# Allegro board buddy_lay_rev1.brd (continued)
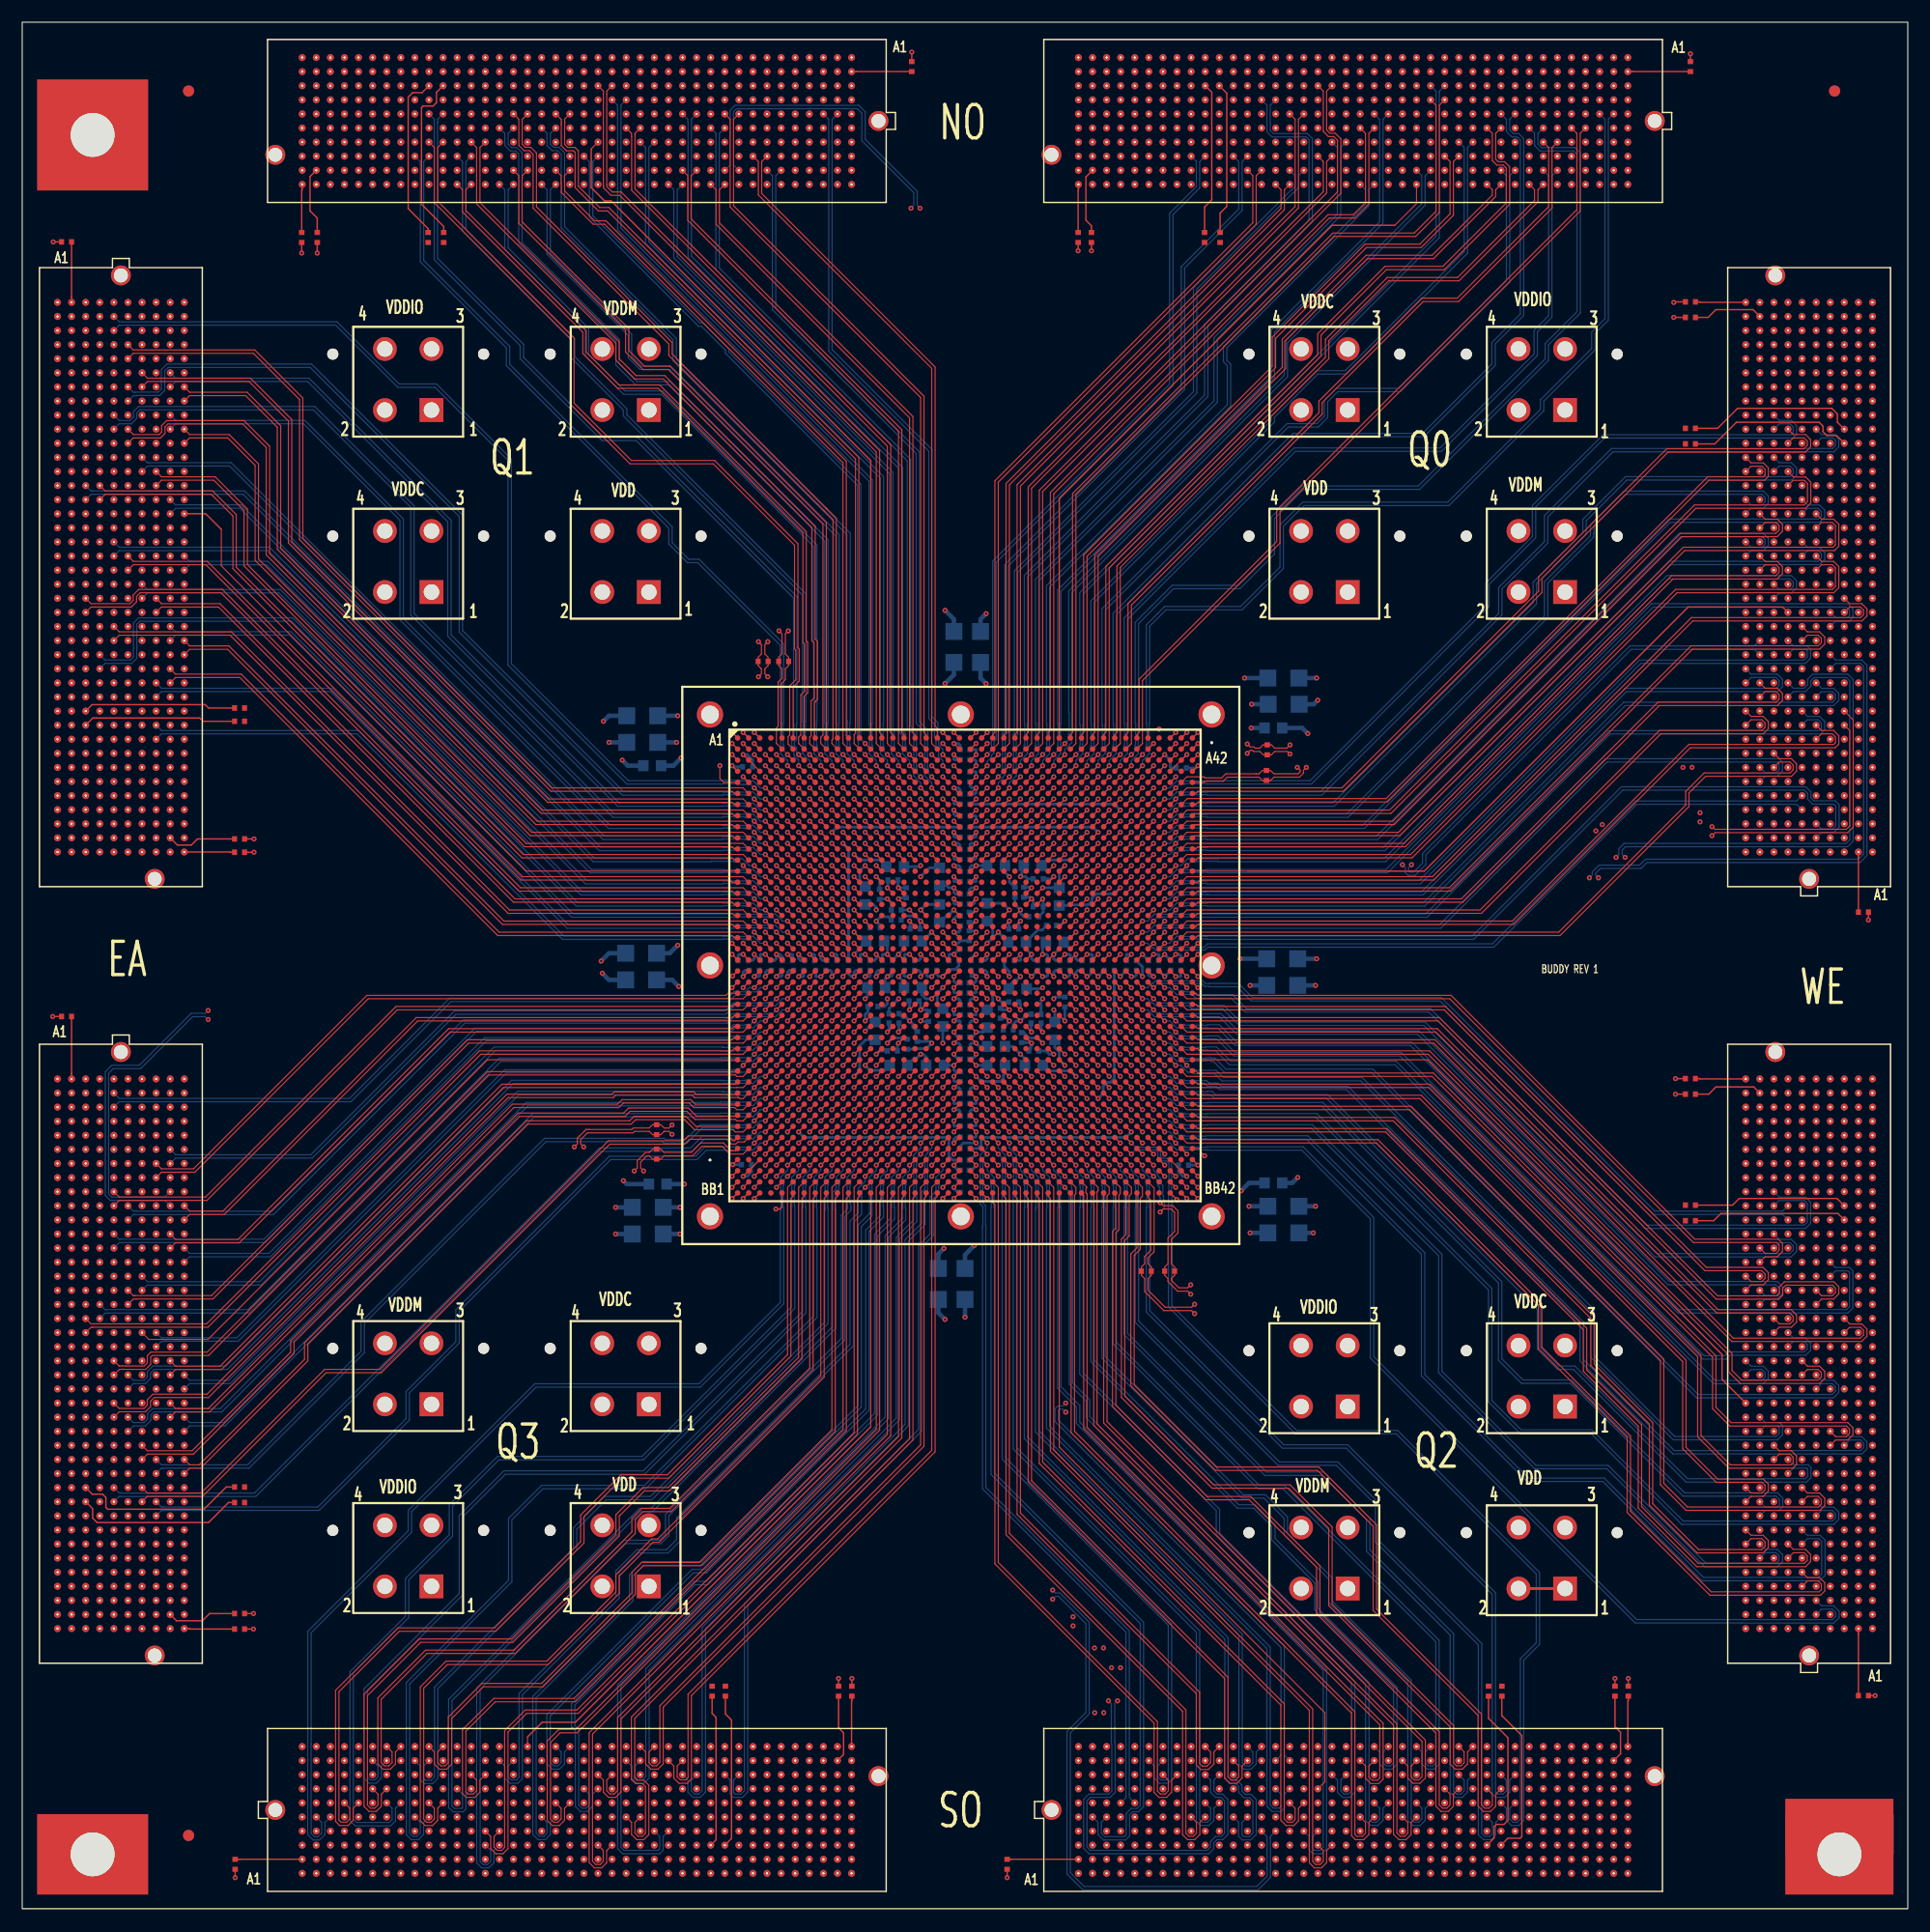
[diagram p0: board, top side]
## Routing (per net, layer and track width the routed paths; a pad name or vN(x,y) marks a point on that pad's centre or on a via; arc(x,y) is an arc through that point) (continued)
; J8.B6 4.93,138.41 ; J8.B6 4.46,138.88 ; J8.B6 3.98,138.41 ; J8.B6 4.46,137.93 ; 165.54,141.74 J3.B38 ; J3.B38 165.07,142.22 ; J3.B38 166.02,142.22 ; J3.B38 165.54,142.69 ; 10.8,42.55 J7.G26 ; J7.G26 10.33,43.02 ; J7.G26 10.8,43.5 ; J7.G26 11.28,43.02 ; J5.G35 138.41,11.28 ; J5.G35 138.41,10.33 ; J5.G35 137.93,10.8 ; J5.G35 138.88,10.8 ; J7.E35 8.27,32.07 ; J7.E35 8.74,31.59 ; J7.E35 7.79,31.59 ; J7.E35 8.27,31.12 ; 105.39,161.74 105.86,161.74 ; 105.39,161.74 105.39,162.21 ; 105.39,161.74 104.91,161.74 ; 105.39,161.74 105.39,161.26 ; J1.H3 72.23,158.4 ; J1.H3 71.76,157.93 ; J1.H3 72.71,157.93 ; J1.H3 72.23,157.45 ; J4.H30 158.4,62.07 ; J4.H30 157.45,62.07 ; J4.H30 157.93,61.6 ; J4.H30 157.93,62.55 ; J2.J40 95.23,157.13 ; J2.J40 95.23,156.18 ; J2.J40 94.75,156.66 ; J2.J40 95.7,156.66 ; 97.77,161.26 97.77,161.74 ; 97.77,161.74 98.24,161.74 ; 97.77,161.74 97.29,161.74 ; 97.77,161.74 97.77,162.21 ; 118.09,165.07 J2.B22 ; J2.B22 118.56,165.54 ; J2.B22 118.09,166.02 ; J2.B22 117.61,165.54 ; 3.19,65.88 3.66,65.88 ; 3.19,65.88 3.19,66.36 ; 3.19,65.88 3.19,65.41 ; 3.19,65.88 2.71,65.88 ; J3.D13 163,110.94 ; J3.D13 163,109.99 ; J3.D13 162.53,110.47 ; J3.D13 163.48,110.47 ; 9.06,49.37 J7.F21 ; J7.F21 9.54,49.85 ; J7.F21 10.01,49.37 ; J7.F21 9.54,48.9 ; 161.26,53.18 161.74,53.18 ; 161.74,53.18 162.21,53.18 ; 161.74,53.18 161.74,53.66 ; 161.74,53.18 161.74,52.71 ; 13.35,69.22 13.35,69.69 ; 13.35,69.69 13.35,70.17 ; 13.35,69.69 12.87,69.69 ; 13.35,69.69 13.82,69.69 ; J5.C33 136.34,5.72 ; J5.C33 135.87,5.25 ; J5.C33 135.39,5.72 ; J5.C33 135.87,6.2 ; 11.6,34.13 J7.H33 ; J7.H33 12.07,34.61 ; J7.H33 12.07,33.66 ; J7.H33 12.55,34.13 ; J8.F6 9.54,138.88 ; J8.F6 10.01,138.41 ; J8.F6 9.54,137.93 ; J8.F6 9.06,138.41 ; J4.D13 163.48,40.48 ; J4.D13 162.53,40.48 ; J4.D13 163,40.01 ; J4.D13 163,40.96 ; 9.06,56.99 J7.F15 ; J7.F15 9.54,56.52 ; J7.F15 9.54,57.47 ; J7.F15 10.01,56.99 ; J1.D2 73.5,163.48 ; J1.D2 73.5,162.53 ; J1.D2 73.03,163 ; J1.D2 73.98,163 ; 161.74,126.98 162.21,126.98 ; 161.74,126.98 161.74,127.45 ; 161.74,126.98 161.26,126.98 ; 161.74,126.98 161.74,126.5 ; 9.06,143.49 J8.F2 ; J8.F2 10.01,143.49 ; J8.F2 9.54,143.96 ; J8.F2 9.54,143.01 ; J5.B6 101.58,4.93 ; J5.B6 101.58,3.98 ; J5.B6 102.05,4.46 ; J5.B6 101.1,4.46 ; 113.8,164.28 J2.C25 ; J2.C25 114.28,164.75 ; J2.C25 114.75,164.28 ; J2.C25 114.28,163.8 ; 144.76,158.72 J2.G1 ; J2.G1 145.23,159.19 ; J2.G1 144.28,159.19 ; J2.G1 144.76,159.67 ; 5.25,105.39 J8.C32 ; J8.C32 6.2,105.39 ; J8.C32 5.72,105.86 ; J8.C32 5.72,104.91 ; 30.32,5.72 30.32,6.2 ; 30.32,5.72 30.8,5.72 ; 30.32,5.72 29.85,5.72 ; 30.32,5.72 30.32,5.25 ; 2.71,114.28 3.19,114.28 ; 3.19,114.28 3.19,113.8 ; 3.19,114.28 3.19,114.75 ; 3.19,114.28 3.66,114.28 ; 10.33,74.77 10.8,74.77 ; 10.8,74.77 10.8,74.3 ; 10.8,74.77 10.8,75.25 ; 10.8,74.77 11.28,74.77 ; J17.2 33.94,45.45 ; J17.2 32.7,44.21 ; J17.2 31.46,45.45 ; J17.2 32.7,46.69 ; 9.54,64.14 J7.F9 ; J7.F9 9.06,64.61 ; J7.F9 9.54,65.09 ; J7.F9 10.01,64.61 ; J7.D6 7,68.9 ; J7.D6 7.47,68.42 ; J7.D6 6.52,68.42 ; J7.D6 7,67.95 ; J2.A1 145.23,166.81 ; J2.A1 144.28,166.81 ; J2.A1 144.76,167.29 ; J2.A1 144.76,166.34 ; 28.58,5.72 29.05,5.72 ; 29.05,5.72 29.05,5.25 ; 29.05,5.72 29.05,6.2 ; 29.05,5.72 29.53,5.72 ; J3.A32 166.81,135.07 ; J3.A32 166.81,134.12 ; J3.A32 166.34,134.6 ; J3.A32 167.29,134.6 ; 4.46,32.86 4.46,33.34 ; 4.46,32.86 4.93,32.86 ; 4.46,32.86 3.98,32.86 ; 4.46,32.86 4.46,32.39 ; 162.53,114.28 J3.D16 ; J3.D16 163,113.8 ; J3.D16 163.48,114.28 ; J3.D16 163,114.75 ; 62.07,158.72 J1.G11 ; J1.G11 62.07,159.67 ; J1.G11 62.55,159.19 ; J1.G11 61.6,159.19 ; J7.H27 12.55,41.75 ; J7.H27 12.07,41.28 ; J7.H27 11.6,41.75 ; J7.H27 12.07,42.23 ; 114.28,3.19 114.28,3.66 ; 114.28,3.19 114.75,3.19 ; 114.28,3.19 114.28,2.71 ; 114.28,3.19 113.8,3.19 ; 5.72,125.23 5.72,125.71 ; 5.72,125.71 5.25,125.71 ; 5.72,125.71 6.2,125.71 ; 5.72,125.71 5.72,126.18 ; 166.81,28.58 J4.A4 ; J4.A4 166.34,29.05 ; J4.A4 167.29,29.05 ; J4.A4 166.81,29.53 ; J3.B18 166.02,116.82 ; J3.B18 165.07,116.82 ; J3.B18 165.54,117.29 ; J3.B18 165.54,116.34 ; 62.87,163 J1.D10 ; J1.D10 63.34,162.53 ; J1.D10 63.34,163.48 ; J1.D10 63.82,163 ; 110.47,163.8 J2.C28 ; J2.C28 110.94,164.28 ; J2.C28 109.99,164.28 ; J2.C28 110.47,164.75 ; 159.19,56.52 J4.G26 ; J4.G26 159.67,56.99 ; J4.G26 158.72,56.99 ; J4.G26 159.19,57.47 ; 156.18,134.6 J3.J32 ; J3.J32 157.13,134.6 ; J3.J32 156.66,134.12 ; J3.J32 156.66,135.07 ; 4.46,117.61 J8.B22 ; J8.B22 3.98,118.09 ; J8.B22 4.93,118.09 ; J8.B22 4.46,118.56 ; 143.49,165.07 J2.B2 ; J2.B2 143.01,165.54 ; J2.B2 143.49,166.02 ; J2.B2 143.96,165.54 ; 10.33,58.26 J7.G14 ; J7.G14 11.28,58.26 ; J7.G14 10.8,57.79 ; J7.G14 10.8,58.74 ; 165.07,32.86 J4.B7 ; J4.B7 166.02,32.86 ; J4.B7 165.54,33.34 ; J4.B7 165.54,32.39 ; 156.66,137.93 J3.J35 ; J3.J35 156.18,138.41 ; J3.J35 156.66,138.88 ; J3.J35 157.13,138.41 ; 161.74,64.14 161.74,64.61 ; 161.74,64.61 162.21,64.61 ; 161.74,64.61 161.74,65.09 ; 161.74,64.61 161.26,64.61 ; J6.H24 54.45,12.55 ; J6.H24 53.98,12.07 ; J6.H24 54.93,12.07 ; J6.H24 54.45,11.6 ; J6.D25 55.72,7.47 ; J6.D25 55.25,7 ; J6.D25 55.72,6.52 ; J6.D25 56.2,7 ; J6.F6 32.07,9.54 ; J6.F6 31.59,9.06 ; J6.F6 31.59,10.01 ; J6.F6 31.12,9.54 ; 3.19,40.48 3.66,40.48 ; 3.19,40.48 3.19,40.96 ; 3.19,40.48 3.19,40.01 ; 3.19,40.48 2.71,40.48 ; 14.14,123.17 J8.K18 ; J8.K18 14.62,122.69 ; J8.K18 15.09,123.17 ; J8.K18 14.62,123.64 ; J3.K6 155.38,102.05 ; J3.K6 155.38,101.1 ; J3.K6 154.91,101.58 ; J3.K6 155.86,101.58 ; J7.G29 10.8,39.69 ; J7.G29 11.28,39.21 ; J7.G29 10.33,39.21 ; J7.G29 10.8,38.74 ; 13.35,70.96 13.35,71.44 ; 13.35,70.96 12.87,70.96 ; 13.35,70.96 13.35,70.49 ; 13.35,70.96 13.82,70.96 ; 39.21,166.34 J1.A29 ; J1.A29 39.69,166.81 ; J1.A29 39.21,167.29 ; J1.A29 38.74,166.81 ; 50.64,161.74 51.12,161.74 ; 50.64,161.74 50.64,161.26 ; 50.64,161.74 50.64,162.21 ; 50.64,161.74 50.17,161.74 ; J6.C33 66.36,5.72 ; J6.C33 65.88,5.25 ; J6.C33 65.41,5.72 ; J6.C33 65.88,6.2 ; 70.96,7 71.44,7 ; 70.96,7 70.96,7.47 ; 70.96,7 70.96,6.52 ; 70.96,7 70.49,7 ; 12.87,140.95 13.35,140.95 ; 13.35,140.95 13.35,141.42 ; 13.35,140.95 13.82,140.95 ; 13.35,140.95 13.35,140.47 ; J2.F3 142.69,160.47 ; J2.F3 142.22,159.99 ; J2.F3 141.74,160.47 ; J2.F3 142.22,160.94 ; 67.95,8.27 J6.E35 ; J6.E35 68.9,8.27 ; J6.E35 68.42,7.79 ; J6.E35 68.42,8.74 ; J7.H30 12.55,37.94 ; J7.H30 12.07,37.47 ; J7.H30 12.07,38.42 ; J7.H30 11.6,37.94 ; J3.A40 167.29,144.76 ; J3.A40 166.34,144.76 ; J3.A40 166.81,144.28 ; J3.A40 166.81,145.23 ; 161.74,115.07 161.74,115.55 ; 161.74,115.55 162.21,115.55 ; 161.74,115.55 161.26,115.55 ; 161.74,115.55 161.74,116.02 ; 58.26,165.07 J1.B14 ; J1.B14 57.79,165.54 ; J1.B14 58.74,165.54 ; J1.B14 58.26,166.02 ; 144.28,164.28 J2.C1 ; J2.C1 144.76,164.75 ; J2.C1 145.23,164.28 ; J2.C1 144.76,163.8 ; 157.93,127.77 J3.H27 ; J3.H27 157.45,128.25 ; J3.H27 157.93,128.72 ; J3.H27 158.4,128.25 ; J2.F12 131.26,160.47 ; J2.F12 130.79,159.99 ; J2.F12 130.79,160.94 ; J2.F12 130.31,160.47 ; 98.56,166.81 J2.A37 ; J2.A37 99.04,167.29 ; J2.A37 99.51,166.81 ; J2.A37 99.04,166.34 ; 163,117.61 J3.D19 ; J3.D19 163.48,118.09 ; J3.D19 163,118.56 ; J3.D19 162.53,118.09 ; 5.72,94.75 J8.C40 ; J8.C40 5.25,95.23 ; J8.C40 6.2,95.23 ; J8.C40 5.72,95.7 ; J7.D16 7.47,55.72 ; J7.D16 7,56.2 ; J7.D16 6.52,55.72 ; J7.D16 7,55.25 ; 67.95,13.35 J6.J35 ; J6.J35 68.42,13.82 ; J6.J35 68.9,13.35 ; J6.J35 68.42,12.87 ; 25.24,10.33 25.24,10.8 ; 25.24,10.8 25.72,10.8 ; 25.24,10.8 25.24,11.28 ; 25.24,10.8 24.77,10.8 ; 166.34,40.48 J4.A13 ; J4.A13 167.29,40.48 ; J4.A13 166.81,40.01 ; J4.A13 166.81,40.96 ; J3.F30 160.47,132.53 ; J3.F30 160.94,132.06 ; J3.F30 159.99,132.06 ; J3.F30 160.47,131.58 ; J1.K12 60.8,155.86 ; J1.K12 61.28,155.38 ; J1.K12 60.8,154.91 ; J1.K12 60.33,155.38 ; J7.F2 9.54,73.98 ; J7.F2 10.01,73.5 ; J7.F2 9.06,73.5 ; J7.F2 9.54,73.03 ; 142.22,12.87 J5.J38 ; J5.J38 141.74,13.35 ; J5.J38 142.69,13.35 ; J5.J38 142.22,13.82 ; J2.D37 99.51,163 ; J2.D37 99.04,163.48 ; J2.D37 99.04,162.53 ; J2.D37 98.56,163 ; 157.93,131.58 J3.H30 ; J3.H30 157.45,132.06 ; J3.H30 158.4,132.06 ; J3.H30 157.93,132.53 ; 60.8,166.34 J1.A12 ; J1.A12 61.28,166.81 ; J1.A12 60.33,166.81 ; J1.A12 60.8,167.29 ; 161.74,71.76 161.74,72.23 ; 161.74,72.23 161.74,72.71 ; 161.74,72.23 161.26,72.23 ; 161.74,72.23 162.21,72.23 ; J2.A32 105.86,166.81 ; J2.A32 105.39,167.29 ; J2.A32 105.39,166.34 ; J2.A32 104.91,166.81 ; 124.44,163.8 J2.C17 ; J2.C17 123.96,164.28 ; J2.C17 124.44,164.75 ; J2.C17 124.91,164.28 ; J4.G17 159.67,45.56 ; J4.G17 159.19,46.04 ; J4.G17 159.19,45.09 ; J4.G17 158.72,45.56 ; J5.A28 129.99,3.19 ; J5.A28 129.52,3.66 ; J5.A28 129.04,3.19 ; J5.A28 129.52,2.71 ; 109.2,11.6 J5.H12 ; J5.H12 109.67,12.07 ; J5.H12 109.2,12.55 ; J5.H12 108.72,12.07 ; 102.85,165.07 J2.B34 ; J2.B34 102.85,166.02 ; J2.B34 102.37,165.54 ; J2.B34 103.32,165.54 ; 10.33,101.58 J8.G35 ; J8.G35 10.8,102.05 ; J8.G35 11.28,101.58 ; J8.G35 10.8,101.1 ; 36.9,27.81 J19.1 ; J19.1 38.14,29.05 ; J19.1 35.66,29.05 ; J19.1 36.9,30.29 ; J5.K6 101.58,15.09 ; J5.K6 102.05,14.62 ; J5.K6 101.1,14.62 ; J5.K6 101.58,14.14 ; 3.19,45.56 3.66,45.56 ; 3.19,45.56 3.19,46.04 ; 3.19,45.56 3.19,45.09 ; 3.19,45.56 2.71,45.56 ; J4.K6 155.86,31.59 ; J4.K6 154.91,31.59 ; J4.K6 155.38,31.12 ; J4.K6 155.38,32.07 ; J4.F15 160.94,43.02 ; J4.F15 160.47,42.55 ; J4.F15 159.99,43.02 ; J4.F15 160.47,43.5 ; 157.45,26.51 J4.H2 ; J4.H2 157.93,26.99 ; J4.H2 157.93,26.04 ; J4.H2 158.4,26.51 ; J4.K3 155.38,28.26 ; J4.K3 154.91,27.78 ; J4.K3 155.86,27.78 ; J4.K3 155.38,27.31 ; 131.58,12.07 J5.H30 ; J5.H30 132.06,12.55 ; J5.H30 132.53,12.07 ; J5.H30 132.06,11.6 ; 29.05,3.19 29.53,3.19 ; 29.05,3.19 29.05,2.71 ; 29.05,3.19 29.05,3.66 ; 29.05,3.19 28.58,3.19 ; 161.74,37.94 162.21,37.94 ; 161.74,37.94 161.74,37.47 ; 161.74,37.94 161.74,38.42 ; 161.74,37.94 161.26,37.94 ; J4.B14 166.02,41.75 ; J4.B14 165.54,42.23 ; J4.B14 165.54,41.28 ; J4.B14 165.07,41.75 ; 99.83,3.19 100.31,3.19 ; 100.31,3.19 100.31,3.66 ; 100.31,3.19 100.78,3.19 ; 100.31,3.19 100.31,2.71 ; J7.B15 4.46,57.47 ; J7.B15 4.46,56.52 ; J7.B15 3.98,56.99 ; J7.B15 4.93,56.99 ; 105.39,2.71 105.39,3.19 ; 105.39,3.19 105.39,3.66 ; 105.39,3.19 104.91,3.19 ; 105.39,3.19 105.86,3.19 ; J2.K12 130.79,155.86 ; J2.K12 130.31,155.38 ; J2.K12 130.79,154.91 ; J2.K12 131.26,155.38 ; J4.A17 166.81,46.04 ; J4.A17 166.34,45.56 ; J4.A17 167.29,45.56 ; J4.A17 166.81,45.09 ; 162.53,106.66 J3.D10 ; J3.D10 163,107.13 ; J3.D10 163,106.18 ; J3.D10 163.48,106.66 ; 29.05,10.33 29.05,10.8 ; 29.05,10.8 29.53,10.8 ; 29.05,10.8 28.58,10.8 ; 29.05,10.8 29.05,11.28 ; 161.26,138.41 161.74,138.41 ; 161.74,138.41 161.74,137.93 ; 161.74,138.41 161.74,138.88 ; 161.74,138.41 162.21,138.41 ; J3.J4 156.66,99.51 ; J3.J4 156.18,99.04 ; J3.J4 156.66,98.56 ; J3.J4 157.13,99.04 ; 7,40.01 J7.D28 ; J7.D28 6.52,40.48 ; J7.D28 7.47,40.48 ; J7.D28 7,40.96 ; J22.1 140.34,45.25 ; J22.1 139.1,44.01 ; J22.1 139.1,46.49 ; J22.1 137.86,45.25 ; 51.06,135.05 J10.2 ; J10.2 53.54,135.05 ; J10.2 52.3,133.81 ; J10.2 52.3,136.29 ; J6.B3 27.78,4.93 ; J6.B3 27.31,4.46 ; J6.B3 28.26,4.46 ; J6.B3 27.78,3.98 ; J3.K12 155.86,109.2 ; J3.K12 154.91,109.2 ; J3.K12 155.38,108.72 ; J3.K12 155.38,109.67 ; J4.C17 164.28,46.04 ; J4.C17 164.28,45.09 ; J4.C17 163.8,45.56 ; J4.C17 164.75,45.56 ; J6.G26 56.99,11.28 ; J6.G26 56.52,10.8 ; J6.G26 57.47,10.8 ; J6.G26 56.99,10.33 ; 27.31,9.54 J6.F3 ; J6.F3 28.26,9.54 ; J6.F3 27.78,10.01 ; J6.F3 27.78,9.06 ; J5.B15 113.48,4.46 ; J5.B15 113.01,3.98 ; J5.B15 112.53,4.46 ; J5.B15 113.01,4.93 ; J1.B27 41.75,166.02 ; J1.B27 41.28,165.54 ; J1.B27 41.75,165.07 ; J1.B27 42.23,165.54 ; 165.07,111.74 J3.B14 ; J3.B14 165.54,111.26 ; J3.B14 166.02,111.74 ; J3.B14 165.54,112.21 ; J4.D6 163.48,31.59 ; J4.D6 163,32.07 ; J4.D6 162.53,31.59 ; J4.D6 163,31.12 ; 33.66,5.72 34.13,5.72 ; 34.13,5.72 34.13,6.2 ; 34.13,5.72 34.13,5.25 ; 34.13,5.72 34.61,5.72 ; 97.77,14.14 J5.K3 ; J5.K3 97.29,14.62 ; J5.K3 97.77,15.09 ; J5.K3 98.24,14.62 ; 62.07,9.54 62.55,9.54 ; 62.07,9.54 62.07,10.01 ; 62.07,9.54 61.6,9.54 ; 62.07,9.54 62.07,9.06 ; J1.F9 64.61,160.94 ; J1.F9 64.61,159.99 ; J1.F9 64.14,160.47 ; J1.F9 65.09,160.47 ; 12.07,134.12 J8.H9 ; J8.H9 11.6,134.6 ; J8.H9 12.07,135.07 ; J8.H9 12.55,134.6 ; 165.07,118.09 J3.B19 ; J3.B19 165.54,118.56 ; J3.B19 166.02,118.09 ; J3.B19 165.54,117.61 ; 95.23,12.87 95.23,13.35 ; 95.23,13.35 94.75,13.35 ; 95.23,13.35 95.23,13.82 ; 95.23,13.35 95.7,13.35 ; J5.F6 101.58,10.01 ; J5.F6 102.05,9.54 ; J5.F6 101.1,9.54 ; J5.F6 101.58,9.06 ; 166.34,30.32 J4.A5 ; J4.A5 166.81,30.8 ; J4.A5 167.29,30.32 ; J4.A5 166.81,29.85 ; 35.4,158.72 J1.G32 ; J1.G32 35.4,159.67 ; J1.G32 34.93,159.19 ; J1.G32 35.88,159.19 ; 160.47,96.02 J3.F2 ; J3.F2 160.47,96.97 ; J3.F2 159.99,96.5 ; J3.F2 160.94,96.5 ; 7.79,25.24 J7.E40 ; J7.E40 8.74,25.24 ; J7.E40 8.27,24.77 ; J7.E40 8.27,25.72 ; 43.02,9.06 J6.F15 ; J6.F15 43.02,10.01 ; J6.F15 43.5,9.54 ; J6.F15 42.55,9.54 ; 159.19,118.88 J3.G20 ; J3.G20 159.19,119.83 ; J3.G20 158.72,119.36 ; J3.G20 159.67,119.36 ; J2.B30 107.93,166.02 ; J2.B30 108.4,165.54 ; J2.B30 107.93,165.07 ; J2.B30 107.45,165.54 ; 25.24,5.72 25.24,6.2 ; 25.24,5.72 25.72,5.72 ; 25.24,5.72 24.77,5.72 ; 25.24,5.72 25.24,5.25 ; J5.D3 98.24,7 ; J5.D3 97.77,6.52 ; J5.D3 97.29,7 ; J5.D3 97.77,7.47 ; 96.02,165.54 J2.B39 ; J2.B39 96.97,165.54 ; J2.B39 96.5,165.07 ; J2.B39 96.5,166.02 ; 72.23,165.07 J1.B3 ; J1.B3 72.23,166.02 ; J1.B3 72.71,165.54 ; J1.B3 71.76,165.54 ; J3.F12 160.47,109.67 ; J3.F12 160.94,109.2 ; J3.F12 159.99,109.2 ; J3.F12 160.47,108.72 ; 5.72,124.44 5.72,124.91 ; 5.72,124.44 5.25,124.44 ; 5.72,124.44 6.2,124.44 ; 5.72,124.44 5.72,123.96 ; 111.74,7.79 111.74,8.27 ; 111.74,8.27 111.74,8.74 ; 111.74,8.27 112.21,8.27 ; 111.74,8.27 111.26,8.27 ; 163,73.03 J4.D39 ; J4.D39 163.48,73.5 ; J4.D39 162.53,73.5 ; J4.D39 163,73.98 ; J2.B11 132.53,165.54 ; J2.B11 131.58,165.54 ; J2.B11 132.06,166.02 ; J2.B11 132.06,165.07 ; 165.54,137.93 J3.B35 ; J3.B35 166.02,138.41 ; J3.B35 165.07,138.41 ; J3.B35 165.54,138.88 ; J8.E35 8.27,102.05 ; J8.E35 8.27,101.1 ; J8.E35 7.79,101.58 ; J8.E35 8.74,101.58 ; J8.B3 4.46,142.69 ; J8.B3 4.46,141.74 ; J8.B3 4.93,142.22 ; J8.B3 3.98,142.22 ; J1.C20 51.12,164.28 ; J1.C20 50.64,164.75 ; J1.C20 50.17,164.28 ; J1.C20 50.64,163.8 ; 155.38,34.93 J4.K9 ; J4.K9 155.38,35.88 ; J4.K9 154.91,35.4 ; J4.K9 155.86,35.4 ; J5.B26 126.98,4.93 ; J5.B26 126.5,4.46 ; J5.B26 126.98,3.98 ; J5.B26 127.45,4.46 ; 3.19,70.49 3.19,70.96 ; 3.19,70.96 3.66,70.96 ; 3.19,70.96 2.71,70.96 ; 3.19,70.96 3.19,71.44 ; J1.D7 67.15,163.48 ; J1.D7 67.15,162.53 ; J1.D7 67.63,163 ; J1.D7 66.68,163 ; J3.J8 156.66,104.59 ; J3.J8 156.66,103.64 ; J3.J8 157.13,104.12 ; J3.J8 156.18,104.12 ; J2.D22 118.56,163 ; J2.D22 118.09,162.53 ; J2.D22 118.09,163.48 ; J2.D22 117.61,163 ; 35.4,161.74 35.88,161.74 ; 35.4,161.74 34.93,161.74 ; 35.4,161.74 35.4,161.26 ; 35.4,161.74 35.4,162.21 ; 34.13,10.33 34.13,10.8 ; 34.13,10.8 34.61,10.8 ; 34.13,10.8 33.66,10.8 ; 34.13,10.8 34.13,11.28 ; J23.2 116.54,28.85 ; J23.2 115.3,30.09 ; J23.2 115.3,27.61 ; J23.2 114.06,28.85 ; 3.98,27.78 4.46,27.78 ; 4.46,27.78 4.46,28.26 ; 4.46,27.78 4.93,27.78 ; 4.46,27.78 4.46,27.31 ; 73.5,9.06 73.5,9.54 ; 73.5,9.54 73.5,10.01 ; 73.5,9.54 73.98,9.54 ; 73.5,9.54 73.03,9.54 ; 2.71,140.95 3.19,140.95 ; 3.19,140.95 3.19,140.47 ; 3.19,140.95 3.66,140.95 ; 3.19,140.95 3.19,141.42 ; 115.55,5.72 115.55,6.2 ; 115.55,5.72 116.02,5.72 ; 115.55,5.72 115.55,5.25 ; 115.55,5.72 115.07,5.72 ; 62.07,11.6 J6.H30 ; J6.H30 62.55,12.07 ; J6.H30 62.07,12.55 ; J6.H30 61.6,12.07 ; J4.C21 164.28,51.12 ; J4.C21 164.75,50.64 ; J4.C21 164.28,50.17 ; J4.C21 163.8,50.64 ; 99.83,8.27 100.31,8.27 ; 100.31,8.27 100.31,7.79 ; 100.31,8.27 100.31,8.74 ; 100.31,8.27 100.78,8.27 ; 5.72,40.48 6.2,40.48 ; 5.72,40.48 5.25,40.48 ; 5.72,40.48 5.72,40.01 ; 5.72,40.48 5.72,40.96 ; 7.79,46.83 J7.E23 ; J7.E23 8.27,46.36 ; J7.E23 8.74,46.83 ; J7.E23 8.27,47.31 ; 103.64,13.35 104.12,13.35 ; 104.12,13.35 104.12,13.82 ; 104.12,13.35 104.12,12.87 ; 104.12,13.35 104.59,13.35 ; 14.14,134.6 J8.K9 ; J8.K9 14.62,135.07 ; J8.K9 15.09,134.6 ; J8.K9 14.62,134.12 ; 116.82,161.74 116.82,162.21 ; 116.82,161.74 117.29,161.74 ; 116.82,161.74 116.82,161.26 ; 116.82,161.74 116.34,161.74 ; 5.72,49.37 5.72,49.85 ; 5.72,49.37 5.72,48.9 ; 5.72,49.37 6.2,49.37 ; 5.72,49.37 5.25,49.37 ; 5.72,135.39 5.72,135.87 ; 5.72,135.87 6.2,135.87 ; 5.72,135.87 5.25,135.87 ; 5.72,135.87 5.72,136.34 ; 132.06,14.14 132.06,14.62 ; 132.06,14.62 131.58,14.62 ; 132.06,14.62 132.06,15.09 ; 132.06,14.62 132.53,14.62 ; J1.A37 29.05,167.29 ; J1.A37 29.05,166.34 ; J1.A37 29.53,166.81 ; J1.A37 28.58,166.81 ; J5.D10 107.13,7 ; J5.D10 106.66,6.52 ; J5.D10 106.66,7.47 ; J5.D10 106.18,7 ; J1.C4 71.44,164.28 ; J1.C4 70.96,164.75 ; J1.C4 70.49,164.28 ; J1.C4 70.96,163.8 ; J6.B23 53.66,4.46 ; J6.B23 53.18,4.93 ; J6.B23 52.71,4.46 ; J6.B23 53.18,3.98 ; J7.H3 12.07,72.71 ; J7.H3 12.55,72.23 ; J7.H3 11.6,72.23 ; J7.H3 12.07,71.76 ; 6.52,118.09 J8.D22 ; J8.D22 7,118.56 ; J8.D22 7.47,118.09 ; J8.D22 7,117.61 ; 52.71,10.8 J6.G23 ; J6.G23 53.66,10.8 ; J6.G23 53.18,10.33 ; J6.G23 53.18,11.28 ; J3.K30 155.38,132.53 ; J3.K30 154.91,132.06 ; J3.K30 155.38,131.58 ; J3.K30 155.86,132.06 ; J2.D7 137.61,163 ; J2.D7 137.14,162.53 ; J2.D7 137.14,163.48 ; J2.D7 136.66,163 ; 43.02,158.72 J1.G26 ; J1.G26 42.55,159.19 ; J1.G26 43.02,159.67 ; J1.G26 43.5,159.19 ; 10.8,135.87 11.28,135.87 ; 10.8,135.87 10.8,135.39 ; 10.8,135.87 10.8,136.34 ; 10.8,135.87 10.33,135.87 ; 114.28,5.72 114.28,6.2 ; 114.28,5.72 114.28,5.25 ; 114.28,5.72 114.75,5.72 ; 114.28,5.72 113.8,5.72 ; 5.72,64.61 5.72,65.09 ; 5.72,64.61 5.72,64.14 ; 5.72,64.61 5.25,64.61 ; 5.72,64.61 6.2,64.61 ; J1.J14 58.26,157.13 ; J1.J14 57.79,156.66 ; J1.J14 58.74,156.66 ; J1.J14 58.26,156.18 ; J1.J26 43.02,157.13 ; J1.J26 42.55,156.66 ; J1.J26 43.02,156.18 ; J1.J26 43.5,156.66 ; J1.C32 35.4,164.75 ; J1.C32 35.88,164.28 ; J1.C32 35.4,163.8 ; J1.C32 34.93,164.28 ; 3.19,55.25 3.19,55.72 ; 3.19,55.72 3.66,55.72 ; 3.19,55.72 2.71,55.72 ; 3.19,55.72 3.19,56.2 ; 30.32,8.27 30.8,8.27 ; 30.32,8.27 30.32,7.79 ; 30.32,8.27 29.85,8.27 ; 30.32,8.27 30.32,8.74 ; 4.46,57.79 J7.B14 ; J7.B14 4.46,58.74 ; J7.B14 4.93,58.26 ; J7.B14 3.98,58.26 ; J5.H3 98.24,12.07 ; J5.H3 97.29,12.07 ; J5.H3 97.77,11.6 ; J5.H3 97.77,12.55 ; 125.71,166.34 J2.A16 ; J2.A16 126.18,166.81 ; J2.A16 125.71,167.29 ; J2.A16 125.23,166.81 ; 119.5,44.01 J21.1 ; J21.1 120.74,45.25 ; J21.1 118.26,45.25 ; J21.1 119.5,46.49 ; 37.94,10.8 37.94,11.28 ; 37.94,10.8 37.47,10.8 ; 37.94,10.8 38.42,10.8 ; 37.94,10.8 37.94,10.33 ; 14.62,111.26 J8.K27 ; J8.K27 15.09,111.74 ; J8.K27 14.62,112.21 ; J8.K27 14.14,111.74 ; 7.79,120.63 J8.E20 ; J8.E20 8.27,120.15 ; J8.E20 8.27,121.1 ; J8.E20 8.74,120.63 ; 73.5,12.07 73.98,12.07 ; 73.5,12.07 73.5,12.55 ; 73.5,12.07 73.5,11.6 ; 73.5,12.07 73.03,12.07 ; 137.14,3.98 137.14,4.46 ; 137.14,4.46 136.66,4.46 ; 137.14,4.46 137.14,4.93 ; 137.14,4.46 137.61,4.46 ; 108.72,14.62 J5.K12 ; J5.K12 109.2,15.09 ; J5.K12 109.67,14.62 ; J5.K12 109.2,14.14 ; 14.62,56.52 J7.K15 ; J7.K15 14.14,56.99 ; J7.K15 15.09,56.99 ; J7.K15 14.62,57.47 ; 95.23,161.74 95.7,161.74 ; 95.23,161.74 95.23,162.21 ; 95.23,161.74 94.75,161.74 ; 95.23,161.74 95.23,161.26 ; 107.93,13.35 108.4,13.35 ; 107.93,13.35 107.93,12.87 ; 107.93,13.35 107.93,13.82 ; 107.93,13.35 107.45,13.35 ; J1.J35 32.07,156.66 ; J1.J35 31.59,156.18 ; J1.J35 31.59,157.13 ; J1.J35 31.12,156.66 ; 157.93,139.2 J3.H36 ; J3.H36 158.4,139.68 ; J3.H36 157.93,140.15 ; J3.H36 157.45,139.68 ; 26.51,157.45 J1.H39 ; J1.H39 26.51,158.4 ; J1.H39 26.04,157.93 ; J1.H39 26.99,157.93 ; 157.93,108.72 J3.H12 ; J3.H12 157.45,109.2 ; J3.H12 158.4,109.2 ; J3.H12 157.93,109.67 ; 71.76,155.38 J1.K3 ; J1.K3 72.23,155.86 ; J1.K3 72.23,154.91 ; J1.K3 72.71,155.38 ; J2.J1 145.23,156.66 ; J2.J1 144.76,157.13 ; J2.J1 144.76,156.18 ; J2.J1 144.28,156.66 ; 10.8,70.49 10.8,70.96 ; 10.8,70.96 11.28,70.96 ; 10.8,70.96 10.8,71.44 ; 10.8,70.96 10.33,70.96 ; 157.45,120.63 J3.H21 ; J3.H21 158.4,120.63 ; J3.H21 157.93,120.15 ; J3.H21 157.93,121.1 ; 5.25,65.88 5.72,65.88 ; 5.72,65.88 5.72,65.41 ; 5.72,65.88 5.72,66.36 ; 5.72,65.88 6.2,65.88 ; J5.G23 123.17,11.28 ; J5.G23 123.64,10.8 ; J5.G23